# Altium PCB PCB1.PcbDoc
Units mm, origin at the board's own origin, x right, y up, seen from the top; angles counter-clockwise.
Board outline 240.79 x 92.31 mm, 2 copper layers (Top Layer, Bottom Layer); 105 components, 43 nets, 260 pads, 0 vias.
Unrouted connection lines stored in the file: 196.
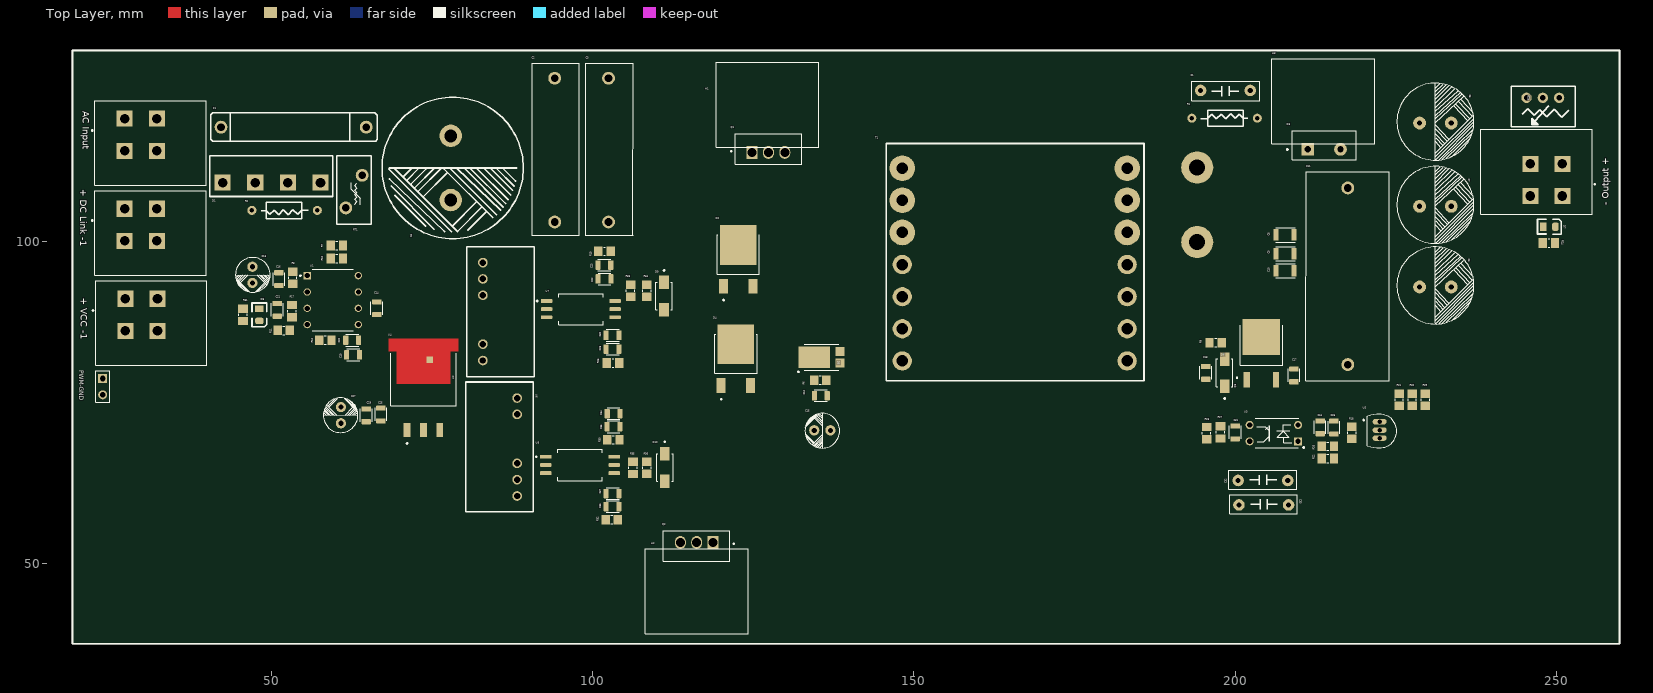
[diagram p0: Top Layer view]
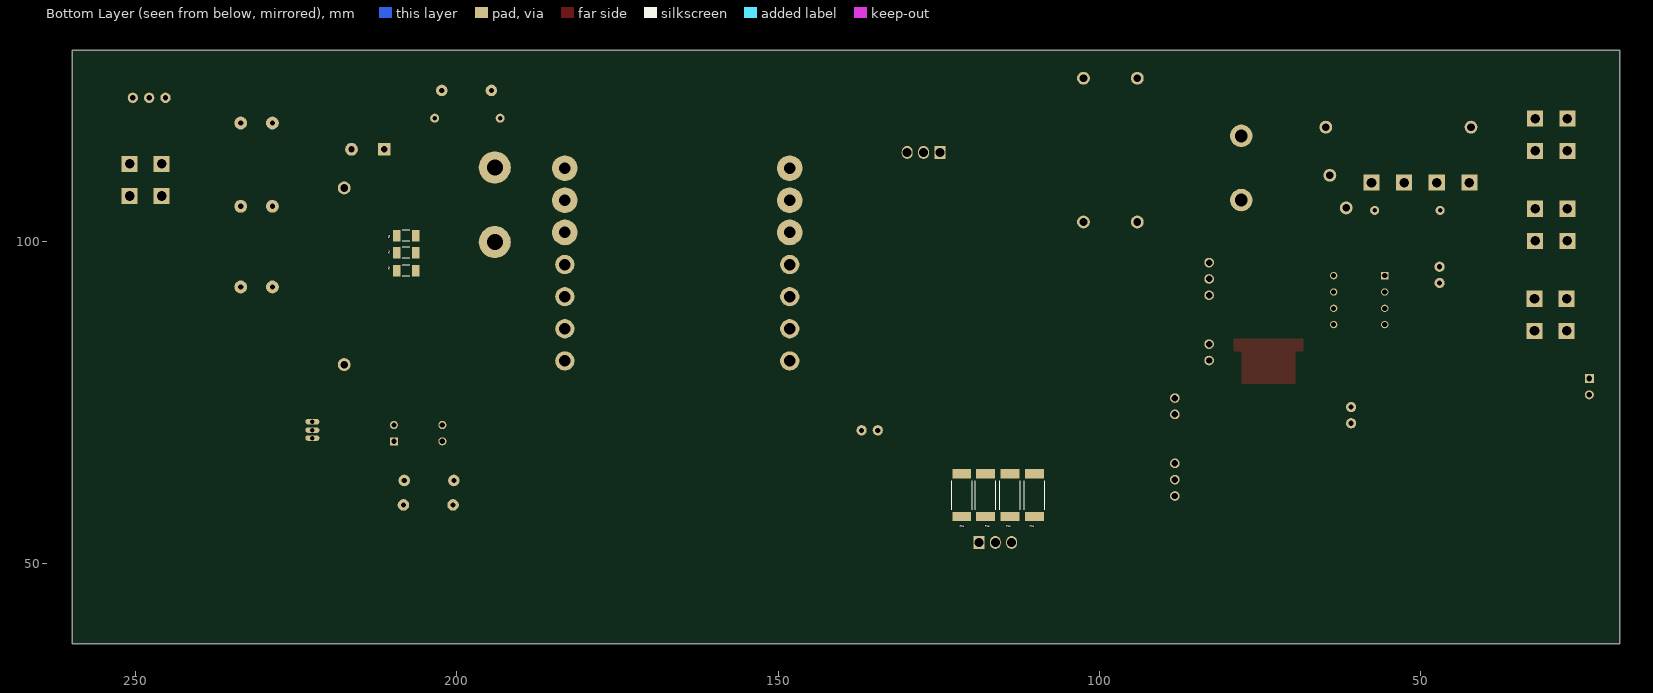
[diagram p1: Bottom Layer view, seen from below]

## Layer stack, top to bottom
Top Solder: solder mask 0.0102, Solder Resist, Dk 3.5
Top Layer: signal copper 0.0356
Dielectric 1: dielectric 0.32, FR-4, Dk 4.8
Bottom Layer: signal copper 0.0356
Bottom Solder: solder mask 0.0102, Solder Resist, Dk 3.5

## Board outline
19.05,37.482 19.05,129.794 259.842,129.794 259.842,37.482

## Design rules (kind name [scope] priority, off if disabled: settings)
Clearance [All] p1: gap=0.254 ignorepadtopadclearanceinfootprint=FALSE except(0: Arc-Hole Track-Hole SMDPad-Hole THPad-Hole Via-Hole Fill-Hole Poly-Hole Region-Hole Text-Hole)
Height [All] p1: minheight=0 maxheight=404 prefheight=12.7
HoleSize [All] p1: absolutevalues=TRUE maxlimit=3 minlimit=0.025 maxpercent=80.000 minpercent=20.000
MinimumSolderMaskSliver [All] p1: minsoldermaskwidth=0.1
PolygonConnect [All] p1: connectstyle=Relief reliefconductorwidth=0.254 reliefentries=4 polygonreliefangle="90 Angle" airgapwidth=0.254
RoutingVias [All] p1: holewidth=0.711 width=1.27 viastyle="Through Hole" minholewidth=0.711 minwidth=1.27 maxholewidth=0.711 maxwidth=1.27
SilkToSilkClearance [All] p1: silktosilkclearance=0.1
SilkToSolderMaskClearance [IsPad] p1: minsilkscreentomaskgap=0.01 clearancetoexposedcopper=TRUE
SolderMaskExpansion [All] p1: expansion=0.102 istentingtop=FALSE
Width [All] p1: maxlimit=0.254 minlimit=0.254 preferedwidth=0.254
25 further rules are at their usual default settings.

## Components (designator, comment, footprint, x,y, rotation, side; value= is the part's Value field where it differs from the comment)
"+ DC Link -1" "732-2088-ND" "Phoenix Contact 2x2 Male Straight" 31.003,99.481 r180 top
"+ VCC -1" "732-2088-ND" "Phoenix Contact 2x2 Male Straight" 31.115,85.471 r180 top
"- Output +" "732-2088-ND" "Phoenix Contact 2x2 Male Straight" 247.127,112.816 r0 top (schematic designator "+ Output -1")
"AC Input" "732-2088-ND" "Phoenix Contact 2x2 Male Straight" 31.003,113.498 r180 top (schematic designator "AC Input1")
C1 "(DIGIKEY Part Number)" "Capacitor Polyester High Voltage DIP" 198.501,123.571 r180 top value="33pF, 1000V"
C2 "CBB23" "Capacitor Film DIP 04" 94.107,103.476 r270 top value="100nF, 1000V"
C3 "CBB23" "Capacitor Film DIP 04" 102.489,103.476 r270 top value="100nF, 1000V"
C4 "493-2587-ND" "Capacitor Aluminum Electrolytic DIP 20*36.5*10" 78.232,111.506 r270 top value="470uF, 400V"
C5 "UHV1V271MPD1TA-ND" "Capacitor Aluminum Electrolytic DIP 10*13*5" 231.191,118.72 r0 top value="270uF, 35V"
C6 "UHV1V271MPD1TA-ND" "Capacitor Aluminum Electrolytic DIP 10*13*5" 231.191,93.218 r0 top value="270uF, 35V"
C7 "UHV1V271MPD1TA-ND" "Capacitor Aluminum Electrolytic DIP 10*13*5" 231.191,105.766 r0 top value="270uF, 35V"
C8 "478-KGM21NR71H104JTTR-ND" "Capacitor Ceramic SMD 1206" 207.772,101.092 r0 top value="100nF, 50V"
C9 "478-KGM21NR71H104JTTR-ND" "Capacitor Ceramic SMD 1206" 207.772,98.171 r0 top value="100nF, 50V"
C10 "478-KGM21NR71H104JTTR-ND" "Capacitor Ceramic SMD 1206" 207.772,95.504 r0 top value="100nF, 50V"
C11 "478-KGM21NR71H104JTTR-ND" "Capacitor Film DIP 06" 217.551,80.899 r90 top value="100nF, 50V"
C12 "GRM2195C1H103JA01D" "Capacitor Ceramic SMD 805" 135.509,76.073 r0 top value="10nF, 50V"
C13 "732-8851-1-ND" "Capacitor Aluminum Electrolytic DIP 5*7.5*2.5" 47.117,94.869 r270 top value="1uF, 50V"
C14 "399-C0805C104J5RAC7800TR-ND" "Capacitor Ceramic SMD 805" 66.421,89.662 r90 top value="0.1uF, 50V"
C15 "P15139-ND" "Capacitor Aluminum Electrolytic DIP 5*7.5*2.5" 135.763,70.612 r180 top value="68uF, 50V"
C16 "490-1642-2-ND" "Capacitor Ceramic SMD 805" 51.181,94.198 r90 top value="10nF, 25V"
C17 "478-KGM21NR71H104JTTR-ND" "Capacitor Ceramic SMD 805" 209.169,79.245 r270 top value="100nF, 50V"
C18 "KGM21NR71H683JT" "Capacitor Ceramic SMD 805" 195.453,79.629 r270 top value="68nF, 50V"
C19 "490-1627-2-ND" "Capacitor Ceramic SMD 805" 62.738,82.423 r180 top value="2nF, 25V"
C20 "311-3498-2-ND" "Capacitor Ceramic SMD 805" 62.605,84.709 r180 top value="1uF, 20V"
C21 "399-C0805C101J5GAC7800TR-ND" "Capacitor Ceramic SMD 805" 50.927,89.414 r90 top value="100pF, 50V"
C22 "C0805C104J5RAC7800" "Capacitor Ceramic SMD 805" 101.854,94.234 r0 top value="100nF, 50V"
C23 "CC0805JKX7R9BB105" "Capacitor Ceramic SMD 805" 101.818,96.393 r0 top value="1uF, 50V"
C24 "KGM21NR71H683JT" "Capacitor Ceramic SMD 805" 213.233,71.156 r270 top value="68 nF, 50V"
C25 "C0805C104J5RAC7800" "Capacitor Ceramic SMD 805" 67.056,73.152 r270 top value="100nF, 50V"
C26 "C0805C104J5RAC7800" "Capacitor Ceramic SMD 805" 215.392,71.12 r270 top value="100nF, 50V"
C27 "732-8851-1-ND" "Capacitor Aluminum Electrolytic DIP 5*7.5*2.5" 60.776,73.032 r90 top value="1uF, 50V"
C28 "C0805C104J5RAC7800" "Capacitor Ceramic SMD 805" 103.124,83.312 r180 top value="100nF, 50V"
C29 "490-18663-2-ND" "Capacitor Ceramic SMD 805" 64.77,73.025 r270 top value="10uF, 50V"
C30 "CC0805JKX7R9BB105" "Capacitor Ceramic SMD 805" 103.124,85.471 r180 top value="1uF, 50V"
C31 "C0805C104J5RAC7800" "Capacitor Ceramic SMD 805" 200.025,70.358 r270 top value="100nF, 50V"
C32 "(DIGIKEY Part Number)" "Capacitor Polyester High Voltage DIP" 204.343,62.865 r0 top value="2.2 nF, 50V"
C33 "(DIGIKEY Part Number)" "Capacitor Polyester High Voltage DIP" 204.47,59.055 r0 top value="2.2nF, 50V"
C34 "C0805C104J5RAC7800" "Capacitor Ceramic SMD 805" 103.257,73.279 r0 top value="100nF, 50V"
C35 "CC0805JKX7R9BB105" "Capacitor Ceramic SMD 805" 103.251,71.247 r0 top value="1uF, 50V"
C36 "C0805C104J5RAC7800" "Capacitor Ceramic SMD 805" 103.118,58.801 r180 top value="100nF, 50V"
C37 "CC0805JKX7R9BB105" "Capacitor Ceramic SMD 805" 103.124,60.833 r180 top value="1uF, 50V"
D1 "31-GBU10V08-TU-ND" "Bridge Rectifier 1Phase 600V 10A GBJ" 50.038,109.22 r0 top
D2 "DSEP6-06AS-TRL" "Diode SMD TO-252 (DPAK)" 122.682,97.282 r90 top
D3 "MBR10150_T0" "Diode DIP ITO-220AC" 213.868,115.062 r0 top
D4 "DSEP6-06AS-TRL" "Diode SMD TO-252 (DPAK)" 122.301,81.829 r90 top
D5 "PDS3100-13" "Diode SMD POWERDI5" 135.636,82.042 r180 top
D6 "BZT52C20-7-F" "Diode Zener SMD DO-214AC" 198.374,79.629 r90 top
D7 "L62505TR-ND" "LED SMD 805 01" 248.92,102.362 r90 top
D8 "L62505TR-ND" "LED SMD 805 01" 48.133,88.646 r0 top
D9 "BZT52C18-7-F" "Diode Zener SMD DO-214AC" 111.125,91.567 r270 top
D10 "BZT52C18-7-F" "Diode Zener SMD DO-214AC" 111.252,64.897 r270 top
F1 "F1730-ND" "Fuse Full DIP 02" 42.164,117.856 r0 top
H1 "(DIGIKEY Part Number)" "HEATSINK 05" 134.366,116.84 r180 top
H2 "(DIGIKEY Part Number)" "HEATSINK 05" 109.093,50.165 r0 top
H3 "(DIGIKEY Part Number)" "HEATSINK 05" 220.853,117.348 r180 top
PWM-GND "A105225-ND" "Header 01 1x2" 23.749,77.47 r0 top (schematic designator PWM-GND1)
Q1 "IPP50R280CEXKSA1-ND" "MOSFET DIP TO-220" 127.381,113.919 r0 top
Q2 "IPP50R280CEXKSA1-ND" "MOSFET DIP TO-220" 116.205,53.213 r180 top
Q3 "2STD1665T4" "BJT NPN SMD DPAK TO-252" 204.089,82.747 r0 top
R1 "(DIGIKEY Part Number)" "Resistor DIP 0.25W 01" 198.374,119.253 r0 top value=100
R2 "P200KDATR-ND" "Resistor DIP 0.25W 01" 52.07,104.902 r180 top value="200 K"
R3 "RMCF2010JT1K20" "Resistor SMD 1206" 207.899,95.504 r180 bottom value="1.2 K"
R4 "RMCF2010JT1K20" "Resistor SMD 1206" 207.899,98.298 r180 bottom value="1.2 K"
R5 "RMCF2010JT1K20" "Resistor SMD 1206" 207.899,100.965 r180 bottom value="1.2 K"
R6 "(DIGIKEY Part Number)" "Resistor SMD 805" 135.443,78.486 r0 top value=10
R7 "P47KDATR-ND" "Resistor SMD 805" 60.198,99.441 r0 top value="47 K"
R8 "RG20P10.0KBTR-ND" "Resistor SMD 805" 53.34,94.418 r90 top value="10 K"
R9 "P2.7KDATR-ND" "Resistor SMD 805" 196.977,84.328 r180 top value="2.7 K"
R10 "P47KDATR-ND" "Resistor SMD 805" 60.198,97.409 r180 top value="47 K"
R11 "TC0525B1001T5G" "Resistor SMD 805" 51.943,86.233 r180 top value="1 K"
R12 "TC0550D8201T5F" "Resistor SMD 805" 58.42,84.709 r0 top value="8.2 K"
R13 "13-RT1206BRE071RL-ND" "Resistor SMD 2512" 121.412,60.579 r270 bottom value="1 Ohm"
R14 "13-RT1206BRE071RL-ND" "Resistor SMD 2512" 110.109,60.579 r270 bottom value="1 Ohm"
R15 "13-RT1206BRE071RL-ND" "Resistor SMD 2512" 113.919,60.579 r270 bottom value="1 Ohm"
R16 "13-RT1206BRE071RL-ND" "Resistor SMD 2512" 117.729,60.579 r270 bottom value="1 Ohm"
R17 "RG20P10.0KBTR-ND" "Resistor SMD 805" 53.213,89.224 r90 top value="10 K"
R18 "P2.7KDATR-ND" "Resistor SMD 805" 218.186,70.297 r270 top value="2.7 K"
R19 "TC0525B1001T5G" "Resistor SMD 805" 101.854,98.552 r0 top value="1 K"
R20 "ERA-6AEB473V" "Resistor SMD 805" 227.584,75.438 r270 top value="47 K"
R21 "ERA-6AEB473V" "Resistor SMD 805" 225.552,75.438 r270 top value="47 K"
R22 "P2.7KDATR-ND" "Resistor SMD 805" 214.442,66.294 r180 top value="2.7 K"
R23 "RG20P10.0KBTR-ND" "Resistor SMD 805" 195.58,70.231 r90 top value="10 K"
R24 "ERJ-P06F3002V-" "Resistor SMD 805" 248.859,99.822 r180 top value="30 K"
R25 "TC0525B1001T5G" "Resistor SMD 805" 103.185,81.153 r180 top value="1 K"
R26 "P200KDATR-ND" "Resistor SMD 805" 214.442,68.199 r0 top value="200 K"
R27 "ERA-6AEB102V" "Resistor SMD 805" 197.739,70.358 r270 top value="1 K"
R28 "(DIGIKEY Part Number)" "Resistor Variable DIP 02" 247.904,122.428 r180 top value=20K
R29 "ERA-6AEB272V" "Resistor SMD 805" 229.616,75.438 r90 top value="2.7 K"
R30 "TC0525B1001T5G" "Resistor SMD 805" 103.251,69.215 r0 top value="1 K"
R31 "ERJ-P06F3002V-" "Resistor SMD 805" 45.593,88.646 r270 top value="30 K"
R32 "TC0525B1001T5G" "Resistor SMD 805" 102.997,56.769 r180 top value="1 K"
R33 "749-1374-2-ND" "Resistor SMD 1206 MELF 01" 105.918,92.39 r270 top value=5.6
R34 "RG2012P-103-B-T5" "Resistor SMD 805" 108.458,92.395 r270 top value="10 K"
R35 "749-1374-2-ND" "Resistor SMD 1206 MELF 01" 106.299,64.831 r90 top value=5.6
R36 "RG2012P-103-B-T5" "Resistor SMD 805" 108.458,64.836 r270 top value="10 K"
RT1 "118-BN-LG10Y2R0MYB-ND" "NTC Thermistor DIP 01" 61.595,108.968 r90 top
T1 "Transformer" "Transformer EE42/21/20" 148.209,111.473 r0 top
U1 "UC3844BN" "PWM Controller UC3844 DIP 01" 59.563,90.932 r0 top
U2 "MGJ2 Series" "Linear Regulator Isolated Module DC-DC DIP 02" 82.931,81.534 r90 top
U3 "PS2501-1-H-A" "Optoisolators DIP 01" 211.074,68.961 r180 top
U4 "LM2940SX-12/NOPBTR-ND" "Linear Regulator DIP TO-263" 73.676,77.261 r90 top
U5 "(DIGIKEY Part Number)" "TL431 DIP" 222.504,70.739 r270 top
U6 "MGJ2 Series" "Linear Regulator Isolated Module DC-DC DIP 02" 88.265,75.692 r270 top
U7 "IS341WTR-ND" "Gate Driver IS341W SO6 Stretched" 98.171,89.535 r0 top
U8 "IS341WTR-ND" "Gate Driver IS341W SO6 Stretched" 98.044,65.278 r0 top

## Footprints (in the part's own frame and the unit in brackets; to place one, negate y for a bottom-side part, rotate by r counter-clockwise, add the part's x,y. Pads: shape width x height; smd on the part's side, far side on the other; paste and mask are expansions set on the pad)
"BJT NPN SMD DPAK TO-252" [mm]
  rect 0.98x2.4 smd: 1(-2.28,-4.2) 2(2.28,-4.2)
  rect 5.86x5.57 smd paste-4: 3(0,2.47)
  silkscreen extent -3.89,-4 3.3,4.27, body extent -3.25,-4.87 3.25,4.86, height 2.17
"Bridge Rectifier 1Phase 600V 10A GBJ" [mm]
  rect 2.5x2.5 hole 1.5: 1(-2.54,0) 2(2.54,0) 3(-7.62,0) 4(7.62,0)
  silkscreen extent -9.6,-2.16 9.55,4.17, body extent -9.5,-2.24 9.5,4.02, height 16.75
"Capacitor Aluminum Electrolytic DIP 5*7.5*2.5" [mm]
  round 1.6 hole 0.8: 1(-1.263,-0.057) 2(1.263,-0.057)
  silkscreen extent -2.7,-2.7 2.7,2.7, body extent -2.48,-2.66 2.53,2.34, height 9.21
"Capacitor Aluminum Electrolytic DIP 10*13*5" [mm]
  round 2 hole 0.8: 1(-2.464,-0.229) 2(2.464,-0.229)
  silkscreen extent -6,-6 6,6, body extent -5,-5.3 5,4.7, height 14
"Capacitor Aluminum Electrolytic DIP 20*36.5*10" [mm]
  round 3.5 hole 2: 1(-5,-0.305) 2(5,-0.305)
  silkscreen extent -11,-11 11,11, body extent -9.85,-10.33 10.16,9.67, height 2
"Capacitor Ceramic SMD 805" [mm]
  rrect25% 0.8x1.47 smd: 1(-0.98,0) 2(1.01,0)
  silkscreen extent -1,-0.91 1,0.91, body extent -0.94,-0.69 1.09,0.71, height 1.23
"Capacitor Ceramic SMD 1206" [mm]
  rect 0.8x1.8 smd: 1(-1.4,0) 2(1.4,0)
  silkscreen extent -1.43,-1.11 1.57,1.11, body extent -1.7,-0.9 1.7,0.9, height 0.87
"Capacitor Film DIP 04" [mm]
  round 2 hole 1.2: 1(-22,0) 2(0.375,0)
  silkscreen extent -24.35,-3.59 2.45,3.82, body extent -24.27,-3.4 2.22,3.6, height 16
"Capacitor Film DIP 06" [mm]
  round 2 hole 1.2: 1(0,0) 2(27.5,0)
  silkscreen extent -2.54,-6.48 30,6.52, body extent -2.02,-6.2 29.47,6.3, height 21.5
"Capacitor Polyester High Voltage DIP" [mm]
  round 1.8 hole 0.8: 1(-3.861,0) 2(3.861,0)
  silkscreen extent -5.33,-1.4 5.24,1.6, body extent -4.05,-1.58 4.05,1.42, height 9
"Diode DIP ITO-220AC" [mm]
  round 1.995 hole 1: 1(2.54,-0.655)
  rect 1.995x1.995 hole 1: 2(-2.54,-0.655)
  silkscreen extent -5.82,-2.25 4.97,2.25, body extent -4.97,-2.09 4.97,2.41, height 19.6
"Diode SMD POWERDI5" [mm]
  rect 1.4x1.39 smd: 1(-2.862,-0.92) 1(-2.862,0.92)
  rect 4.86x3.36 smd: 2(1.12,0)
  silkscreen extent -2.69,-2 3.7,2.37, body extent -3.3,-2.05 3.3,2, height 1.12
"Diode SMD TO-252 (DPAK)" [mm]
  rect 2.29x1.4 smd: 1(-4.19,-2.285) 2(-4.19,2.285)
  rect 6.18x5.69 smd paste-4: 2(2.245,0)
  silkscreen extent -6.43,-3.3 3.79,3.3, body extent -4.95,-3.25 4.95,3.25, height 2.38
"Diode Zener SMD DO-214AC" [mm]
  rect 2.09x1.5 smd: 1(2.13,0) 2(-2.13,0)
  silkscreen extent -4.1,-1.28 2.16,1.28, body extent -2.57,-1.28 2.57,1.28, height 2.5
"Fuse Full DIP 02" [mm]
  round 2 hole 1.2: 1(0,0) 2(22.6,0)
  silkscreen extent -1.56,-2.2 24.36,2.22, body extent -0.26,-3.95 22.9,5.05, height 9.44
"Gate Driver IS341W SO6 Stretched" [mm]
  rrect50% 1.8x0.59 smd: 1(-5.33,1.27) 2(-5.33,0) 3(-5.33,-1.27) 4(5.33,-1.27) 5(5.33,0) 6(5.33,1.27)
  silkscreen extent -6.9,-2.42 3.47,2.42, body extent -5.7,-2.29 5.8,2.29, height 3.3
"Header 01 1x2" [mm]
  rect 1.398x1.398 hole 0.89: 1(0,1.27)
  round 1.398 hole 0.89: 2(0,-1.27)
  silkscreen extent -1.07,-2.44 1.07,2.44, body extent -1.07,-2.44 1.06,2.44, height 11.08
"HEATSINK 05" [mm]
  silkscreen extent -0.87,-11.15 15.12,2.07, body extent -0.63,-10.45 14.67,1.81, height 25
"LED SMD 805 01" [mm]
  rect 1.27x1 smd: 1(0,0.95)
  rrect50% 1.27x1 smd: 2(0,-0.95)
  silkscreen extent -1.15,-1.85 1.14,1.85, body extent -0.62,-1.05 0.63,0.95, height 0.8
"Linear Regulator DIP TO-263" [mm]
  rect 2.16x1.07 smd: 1(-6.545,2.54) 2(-6.545,0) 3(-6.545,-2.54)
  rect 1x1 smd paste-1 mask+0: 2(4.4,-1)
  Top Layer region: 7.625,-5.4 5.715,-5.4 5.715,-4.165 0.635,-4.165 0.635,4.165 5.715,4.165 5.715,5.4 7.625,5.4
  silkscreen extent -8.72,-5.08 5.4,5.08, body extent -7.18,-5.08 7.18,5.08, height 4.65
"Linear Regulator Isolated Module DC-DC DIP 02" [mm]
  round 1.5 hole 1: 1(0,0) 2(2.54,0) 5(10.16,0) 6(12.7,0) 7(15.24,0)
  silkscreen extent -2.5,-7.98 17.7,2.52, body extent -2.3,-7.46 17.46,2.6, height 12.75
"MOSFET DIP TO-220" [mm]
  rect 1.7x2 hole 1.4: 1(-2.54,0)
  oval 1.7x2 hole 1.4: 2(0,0) 3(2.54,0)
  silkscreen extent -5.89,-1.81 5.18,2.89, body extent -5.16,-1.63 5,2.92, height 19.65
"NTC Thermistor DIP 01" [mm]
  round 2 hole 1.2: 1(-3.674,0) 2(1.397,-2.54)
  silkscreen extent -6.22,-3.94 4.44,1.4, body extent -5.64,-3.41 3.36,0.89, height 11.8
"Optoisolators DIP 01" [mm]
  rect 1.26x1.26 hole 0.84: 1(1.27,0)
  round 1.26 hole 0.84: 2(1.27,-2.54) 3(8.8,-2.54) 4(8.8,0)
  silkscreen extent 0.31,-3.56 7.95,1.07, body extent 1.13,-3.7 9.01,0.89, height 4.3
"Phoenix Contact 2x2 Male Straight" [mm]
  rect 2.5x2.5 hole 1.5: 1(3.825,-5.675) 2(3.825,-0.675) ""(-1.175,-0.675) ""(-1.175,-5.675)
  silkscreen extent -8.85,-8.5 8.97,4.7, body extent -8.62,-8.67 8.37,4.53, height 16.49
"PWM Controller UC3844 DIP 01" [mm]
  rect 1.13x1.13 hole 0.78: 1(-3.97,3.81)
  round 1.13 hole 0.78: 2(-3.97,1.27) 3(-3.97,-1.27) 4(-3.97,-3.81) 5(3.97,-3.81) 6(3.97,-1.27) 7(3.97,1.27) 8(3.97,3.81)
  silkscreen extent -5.13,-4.79 3.17,4.79, body extent -4.1,-4.54 4.1,5.05, height 5.08
"Resistor DIP 0.25W 01" [mm]
  round 1.4 hole 0.7: 1(-5.093,0) 2(5.093,0)
  silkscreen extent -3.7,-1.27 3.63,1.27, body extent -5.4,-1.16 5.37,1.16, height 2.93
"Resistor SMD 805" [mm]
  rect 1.3x1.5 smd: 1(-0.95,0) 2(0.95,0)
  silkscreen extent -0.15,-0.65 0.15,0.65, body extent -1,-0.63 1,0.63, height 0.6
"Resistor SMD 1206" [mm]
  rect 1.13x1.77 smd: 1(-1.47,0) 2(1.47,0)
  silkscreen extent -0.58,-0.88 0.58,0.88, body extent -1.63,-0.77 1.57,0.83, height 0.55
"Resistor SMD 1206 MELF 01" [mm]
  rect 1.3x1.5 smd: 1(-0.95,0) 2(0.95,0)
  silkscreen extent -0.15,-0.65 0.15,0.65, body extent -1.13,-0.58 1.07,0.52, height 1.1
"Resistor SMD 2512" [mm]
  rect 1.45x2.9 smd: 1(-3.325,0) 2(3.325,0)
  silkscreen extent -2.28,-1.6 2.28,1.6, body extent -3.23,-1.6 3.17,1.6, height 0.6
"Resistor Variable DIP 02" [mm]
  round 1.6 hole 0.85: 1(-2.54,0) 2(0,0) 3(2.54,0)
  silkscreen extent -5.08,-1.79 4.92,4.52, body extent -4.76,-1.9 4.76,4.19, height 12.56
"TL431 DIP" [mm]
  oval 0.85x2.2 hole 0.7: 1(-1.27,0) 2(0.025,0) 3(1.27,0)
  silkscreen extent -2.43,-2.59 2.78,2.68, body extent -2.41,-1.37 2.41,2.31, height 7.84
"Transformer EE42/21/20" [mm]
  round 4 hole 1.8: 1(0,0) 2(0,-10) ""(0,-5) ""(35,-10) ""(35,-5) ""(35,0)
  round 3 hole 1.8: 3(0,-20) 4(0,-30) ""(0,-25) ""(0,-15) ""(35,-15) ""(35,-30) ""(35,-25) ""(35,-20)
  round 5 hole 2.5: 5(45.9,0.1) 6(45.9,-11.5)
  silkscreen extent -2.5,-33.09 37.61,3.82, body extent -4.3,-38.9 37.9,3.3, height 33.24

## Part data
"+ DC Link -1" "+ VCC -1" "- Output +" "AC Input" PWM-GND: library part "Contact-Phoenix 2x", "Contact-Phoenix 2x", Color=Green, Current=15A, Current Rating=17.5A, Flammability Rating="UL94 V-0", Manufacturer="Phoenix Contact", Manufacturer Part Number=1715721, Max Current Rating=22A, Max Operating Temperature=100°C, Max Supply Voltage=250V, Min Operating Temperature=-20°C, Package Quantity=50, Supplier Part Number 1=277-1263-ND, Test Voltage=4kV, Voltage=300V, Voltage Rating=400V, Approvals=UL,CSA,cULus,EAC, Category="Terminal Blocks", ComponentLink1Description=https://datasheet.ciiva.com/16046/1715721-16046034.pdf?src-supplier=Onlinecomponents.com, ComponentLink1URL=https://datasheet.ciiva.com/16046/1715721-16046034.pdf?src-supplier=Onlinecomponents.com, ComponentLink2Description=https://datasheet.ciiva.com/1120/1697161-1120393.pdf?src-supplier=Farnell, ComponentLink2URL=https://datasheet.ciiva.com/1120/1697161-1120393.pdf?src-supplier=Farnell, ComponentLink3Description=https://datasheet.ciiva.com/15169/getdatasheetpartid-212174-15169929.pdf?src-supplier=Verical, ComponentLink3URL=https://datasheet.ciiva.com/15169/getdatasheetpartid-212174-15169929.pdf?src-supplier=Verical, ComponentLink4Description=https://datasheet.ciiva.com/832/1715721-832095.pdf?src-supplier=Digi-Key, ComponentLink4URL=https://datasheet.ciiva.com/832/1715721-832095.pdf?src-supplier=Digi-Key, Connector Type="Screw,Terminal Block,PCB", Contact Material=Tin, Depth=9.8mm, Height=17.3mm, Housing Color=Green, Housing Material=Polyamide, Insulation Material=Nylon, Lead Free="Lead Free", Length=10.16mm, Mount="Through Hole", Number of Circuits=2, Number of Contacts=2, Number of Levels=1, Number of Pins=2, Number of Poles=2, Number of Positions=2, Number of Positions Per Level=2, Number of Rows=1, Orientation=Straight, Packaging=Bulk, Pitch=5.08mm, Pricing 1="1=1.39000, 10=1.33400, 50=1.27600, 100=1.24120, 250=1.16000, 500=1.06720, 1000=0.98600, 2500=0.93960, 5000=0.89320 (USD)", Radiation Hardening=No, REACH SVHC="No SVHC", RoHS=Yes, RoHS Compliant=Yes, Series=MKDS, Stock 1=4962, Stripping Length=7mm, Supplier 1=Digi-Key, Termination=Screw, Voltage Rating (AC)=250V, Weight=0.103705oz, Width=17.3mm, Wire Gauge (Max)=26AWG, Wire Gauge (Min)=26AWG, Wire/Cable Gauge=14AWG
C1 C2 C3 C8 C9 C10 C11 C12 C14 C16 C17 C18 C19 C20 C21 C22 C23 C24 C25 C26 C28 C29 C30 C31 C32 C33 C34 C35 C36 C37: library part "Capacitors Non-Electrolytic", "Ceramic & Polyester Capacitor"
C4 C5 C6 C7 C13 C15 C27: library part "Capacitors Electrolytic", "Aluminum Electrolytic Capacitors", Package="Radial Nichicon", Supplier Part Number 1=1189-2012-ND, Availability=Unavailable, MF=Nichicon, MP=UVR2A471MHD, Price=None, SnapEDA_Link=https://www.snapeda.com/parts/UVR2A471MHD/Nichicon/view-part/2302933/?ref=snap, Supplier 1=Digi-Key
D1: library part "Single Phase Bridge Rectifier", "Bridge Rectifier Single Phase Standard", Supplier Part Number 1=6113720, DatasheetVersion=E2732B, LatestRevisionDate=29-May-2009, LatestRevisionNote="Sch pins A & K swapped.", PackageDescription="Bridge Rectifier; 4 Terminals; Body 9.4 x 9.4 mm (typ); Pitch 5.08 mm", PackageReference=D-38, Published=8-Jun-2000, Publisher="Altium Limited", Supplier 1="Future Electronics"
D2 D3 D4 D5: library part Diode, "Through Hole & SMD Diode", ComponentLink1Description="Manufacturer Link", ComponentLink1URL=http://www.irf.com/, DatasheetVersion=Aug-1984, LatestRevisionDate=17-Jul-2002, LatestRevisionNote="Re-released for DXP Platform.", PackageDescription="Diode, Axial; Body 9.5 x 5.3 mm (LxDia. max), Lead Dia. 1.32 mm (max)", PackageReference=DO-201AD, Published=8-Jun-2000, Publisher="Altium Limited"
D6 D9 D10: library part "Diode Zener", "Through Hole & SMD Zener Diode", ComponentLink1Description="Manufacturer Link", ComponentLink1URL=http://www.irf.com/, ComponentLink2Description=Datasheet, ComponentLink2URL=http://www.irf.com/product-info/datasheets/data/18tq.pdf, DatasheetVersion=Dec-1997, LatestRevisionDate=17-Jul-2002, LatestRevisionNote="Re-released for DXP Platform.", Note="Terminal 2 is the TAB and is electrically connected to the cathode", PackageDescription="TO, Thru-Hole, Vertical, Heatsink Mounted; 3 In-Line Leads (1 Absent); Pitch 2.54 mm", PackageReference=TO-220AC, PackageVersion=Feb-1998, Published=8-Jun-2000, Publisher="Altium Limited"
D7 D8: library part LED, "Typical RED, GREEN, YELLOW, AMBER GaAs LED", LatestRevisionDate=17-Jul-2002, LatestRevisionNote="Re-released for DXP Platform.", PackageDescription="SM LED; 2 Flat Leads", PackageReference=3.2X1.6X1.1, PackageVersion=Feb-2002, Published=8-Jun-2000, Publisher="Altium Limited"
F1: library part Fuse, "Fuse, Circuit Protection", Supplier Part Number 1=031501.2HXP-ND, LatestRevisionDate=17-Jul-2002, LatestRevisionNote="Re-released for DXP Platform.", PackageDescription="Thru-Hole; 2 Leads", PackageReference=PIN-W2/E2.8, Published=8-Jun-2000, Publisher="Altium Limited", Supplier 1=Digi-Key
H1 H2 H3: library part "Heat Sink", "Heat Sink TO-220 Aluminum 20.0W @ 60Â°C Board Level, Vertical", Package=None, Availability="In Stock", Check_prices=https://www.snapeda.com/parts/530002B02500G/Aavid+Thermalloy/view-part/?ref=eda, MF="Aavid Thermalloy", MP=530002B02500G, Price=None, Purchase-URL=https://pricing.snapeda.com/search/part/530002B02500G/?ref=eda, SnapEDA_Link=https://www.snapeda.com/parts/530002B02500G/Aavid+Thermalloy/view-part/?ref=snap
Q1 Q2: library part "Transistor MOSFET", "N-Channel MOSFET", Package="SC-59 ON Semiconductor", Availability=Good, Check_prices=https://www.snapeda.com/parts/FDN360P/ON%20Semiconductor/view-part/2105995/?ref=eda, MF="ON Semiconductor", MP=FDN360P, Price=None, Purchase-URL=https://pricing.snapeda.com/search/part/FDN360P/?ref=eda, SnapEDA_Link=https://www.snapeda.com/parts/FDN360P/ON%20Semiconductor/view-part/2105995/?ref=snap
Q3: library part "Transistor BJT", "NPN General Purpose BJT", ComponentLink1Description="Manufacturer Link", ComponentLink1URL=http://www.fairchildsemi.com/, ComponentLink2Description=Datasheet, ComponentLink2URL=http://www.fairchildsemi.com/ds/2N%2F2N3904.pdf, DatasheetVersion=1997, LatestRevisionDate=15-Jan-2003, LatestRevisionNote="PCB Footprint 'BCY-W3/D4.7' replaced", PackageDescription="TO, Flat Index; 3 In-Line, Axial Leads; Body Dia. 4.5mm; Leads 0.51 x 0.48 mm (max)", PackageReference=TO-92A, PackageVersion=Sep-1998, Published=8-Jun-2000, Publisher="Altium Limited"
R1 R2 R3 R4 R5 R6 R7 R8 R9 R10 R11 R12 R13 R14 R15 R16 R17 R18 R19 R20 R21 R22 R23 R24 R25 R26 R27 R29 R30 R31 R32 R33 R34 R35 R36: library part Resistor, "Through Hole & SMD", LatestRevisionDate=17-Jul-2002, LatestRevisionNote="Re-released for DXP Platform.", PackageDescription="Axial Device, Thru-Hole; 2 Leads; 0.3 in Pin Spacing", PackageReference=AXIAL-0.3, Published=8-Jun-2000, Publisher="Altium Limited"
R28: library part "Resistor Variable", "Trimmer Potentiometer Cermet Top Adjustment", Supplier Part Number 1=3252W-103LF-ND, LatestRevisionDate=17-Jul-2002, LatestRevisionNote="Re-released for DXP Platform.", PackageDescription="Axial Device, Thru-Hole; 2 Leads; 0.7 in Pin Spacing", PackageReference=AXIAL-0.7, Published=8-Jun-2000, Publisher="Altium Limited", Set Position=0.5, Supplier 1=Digi-Key
RT1: library part NTC, "NTC Thermistor", Supplier Part Number 1=495-76311-ND, Code_IPC=RESC2012, LatestRevisionDate=29-May-2009, LatestRevisionNote="IPC-7351 Footprint Added.", PackageDescription="Chip Resistor 0805 Case Size", PackageReference=6-0805, PackageVersion=Mar-2003, Published=24-Mar-1999, Publisher="Altium Limited", Supplier 1=Digi-Key
T1: library part "Transformer EE42/21/20", "Transformer (Ideal)", LatestRevisionDate=17-Jul-2002, LatestRevisionNote="Re-released for DXP Platform.", PackageDescription="Transformer; 8 Leads", PackageReference=TRF_8, Published=25-Jan-2001, Publisher="Altium Limited"
U1: library part "PWM Controller UC3844BN", "Off-Line Controllers 52kHz 1A Current PWM No-Cancel/No-Return", Manufacturer=STMicroelectronics, Supplier Part Number=511-UC3844BN, Category="Voltage Regulators - Switching", ComponentLink1Description=https://datasheet.ciiva.com/15108/getdatasheetpartid-119240-15108173.pdf?src-supplier=Verical, ComponentLink1URL=https://datasheet.ciiva.com/15108/getdatasheetpartid-119240-15108173.pdf?src-supplier=Verical, ComponentLink2Description=https://datasheet.ciiva.com/4875/cd00000966-105506-4875760.pdf?src-supplier=Mouser, ComponentLink2URL=https://datasheet.ciiva.com/4875/cd00000966-105506-4875760.pdf?src-supplier=Mouser, ComponentLink3Description=https://datasheet.ciiva.com/17091/0900766b80ed226c-17091155.pdf?src-supplier=Allied+Electronics, ComponentLink3URL=https://datasheet.ciiva.com/17091/0900766b80ed226c-17091155.pdf?src-supplier=Allied+Electronics, ComponentLink4Description=https://datasheet.ciiva.com/2015/cd00000966-2015458.pdf?src-supplier=Digikey, ComponentLink4URL=https://datasheet.ciiva.com/2015/cd00000966-2015458.pdf?src-supplier=Digikey, ComponentLink5Description=https://datasheet.ciiva.com/2015/cd00000966-2015459.pdf?src-supplier=Digikey, ComponentLink5URL=https://datasheet.ciiva.com/2015/cd00000966-2015459.pdf?src-supplier=Digikey, ComponentLink6Description=https://datasheet.ciiva.com/8197/cd00000966-8197558.pdf?src-supplier=Avnet, ComponentLink6URL=https://datasheet.ciiva.com/8197/cd00000966-8197558.pdf?src-supplier=Avnet, ComponentLink7Description=https://datasheet.ciiva.com/16361/cd00000966-16361433.pdf?src-supplier=Future+Electronics, ComponentLink7URL=https://datasheet.ciiva.com/16361/cd00000966-16361433.pdf?src-supplier=Future+Electronics, Manufacturer Part Number=UC3844BN, Pricing="1=0.71, 10=0.501, 50=0.501, 100=0.46, 1000=0.414, 10000=0.38 (USD)", RoHS=Yes, Stock=11981, Supplier=Mouser
U2 U6: library part "Linear Regulator Isolated Module MGJ", "Module DC-DC 12VIN 2-OUT 15V/-5V 0.08A/0.04A 2W 5-Pin SIP Module", Case/Package=SIP, Current - Output 1=80mA, Current - Output 2=40mA, Isolation Voltage=5.2kV, Manufacturer=Murata, Manufacturer Part Number=MGJ2D121505SC, Max Input Voltage=13.2V, Max Operating Temperature=100°C, Max Output Power=2W, Max Power Dissipation=1W, Min Input Voltage=10.8V, Min Operating Temperature=-40°C, Nominal Input Voltage=12V, Output Voltage=15V, Package Quantity=25, Supplier Part Number 1=580-MGJ2D122005SC, Voltage - Output 2=-5V, ComponentLink1Description=http://www.farnell.com/datasheets/1965123.pdf?src-supplier=Element14, ComponentLink1URL=http://www.farnell.com/datasheets/1965123.pdf?src-supplier=Element14, ComponentLink2Description=http://power.murata.com/data/power/ncl/kdc_mgj2.pdf?src-supplier=Avnet, ComponentLink2URL=http://power.murata.com/data/power/ncl/kdc_mgj2.pdf?src-supplier=Avnet, Depth=19.65mm, Efficiency=80%, Features=SCP, Height=0.5inch, Length=0.77inch, Max Input Voltage (DC)=13.2V, Max Output Current=40mA, Min Input Voltage (DC)=10.8V, Mount="Through Hole", Number of Outputs=2, Number of Pins=5, Output Current=80mA, Output Power=2W, Packaging=Rail/Tube, Pricing 1="1=8.46, 5=8.42, 10=8.36, 25=8.27, 50=8.06, 100=7.66, 250=7.17, 500=6.68, 1000=6.65 (USD)", Radiation Hardening=No, REACH SVHC="No SVHC", RoHS Compliant=Yes, Stock 1=0, Supplier 1=Mouser, Voltage - Output 1=15V, Weight=0.151678oz, Width=0.39inch
U3: library part Optoisolator, "Optoisolator Transistor Output 5000Vrms 1 Channel 4-DIP", Supplier Part Number 1=559-1070-ND, DatasheetVersion=Nov-2003, LatestRevisionDate=04-Mar-2005, LatestRevisionNote="Sch pins 3 & 4 Swapped.", PackageReference=DIP-4, Published=24-Mar-1999, Publisher="Altium Limited", Supplier 1=Digi-Key
U4: library part "Linear Regulator", "Voltage Regulators - Linear, Low Drop Out (LDO) Regulators", Case/Package=TO-252, Dropout Voltage=1.1V, Input Bias Current=5mA, Manufacturer=STMicroelectronics, Manufacturer Part Number=LD1117DT33, Max Input Voltage=15V, Max Operating Temperature=125°C, Max Output Current=800mA, Max Output Voltage=3.3V, Max Power Dissipation=12W, Min Input Voltage=5.3V, Min Operating Temperature=0°C, Min Supply Voltage=4.75V, Output Current=950mA, Output Voltage Accuracy=1%, Package Quantity=75, Quiescent Current=10mA, Supplier Part Number 1=511-LD1117DT33, Category="Voltage Regulators - Linear", ComponentLink1Description=https://datasheet.ciiva.com/2070/cd00000544-2070990.pdf?src-supplier=Digi-Key, ComponentLink1URL=https://datasheet.ciiva.com/2070/cd00000544-2070990.pdf?src-supplier=Digi-Key, Max Supply Voltage=15V, Mount="Surface Mount", Nominal Output Voltage=3.3V, Number of Outputs=1, Number of Pins=3, Number of Regulators=1, Output Type=Fixed, Output Voltage=3.3V, Packaging=Rail/Tube, Polarity=Positive, Power Dissipation=12W, REACH SVHC="No SVHC", RoHS=Yes, RoHS Compliant=Yes, Supplier 1=Mouser, Termination=SMD/SMT, Voltage=3.3V
U5: library part TL431, "Shunt Voltage Reference IC", Package="TO-92 Microsemi Corporation", Supplier Part Number 1=497-16221-ND, Availability=Unavailable, DigiKey-Purchase-URL=https://snapeda.com/shop?store=DigiKey&id=187631, MF="Microsemi Corporation", MP=TL431ILP, Price=None, SnapEDA_Link=https://www.snapeda.com/parts/TL431ILP/Microsemi%20Corporation/view-part/187631/?ref=snap, Supplier 1=Digi-Key
U7 U8: library part "Gate Driver IS341W", "Photocoupler is ideally suited for driving power IGBTs and MOSFETs", Manufacturer=Isocom, Manufacturer Part Number=IS341W, Supplier Part Number=IS341WCT-ND, ComponentLink1Description=http://isocom.com/wp-content/uploads/2017/08/DD93205_IS341W_17-01-17.pdf?src-supplier=Digikey, ComponentLink1URL=http://isocom.com/wp-content/uploads/2017/08/DD93205_IS341W_17-01-17.pdf?src-supplier=Digikey, Pricing="1=2.2, 10=1.429, 100=1.0327, 500=0.87664 (USD)", RoHS=Yes, Stock=232, Supplier=Digikey

## Nets (pads, with @x,y where several pads share a name; then routed paths per layer and width w, separated by ;. In a path a pad name is that pad's centre, name@x,y a point inside that pad or via, vN(x,y) a via of type N, cw(c..) or ccw(c..) an arc to the next point about the centre after c; other vN are vias at no path point)
20V: C17.2 Q3.2 R18.1
GATE_B: D10.2 R35.1 R36.1
GATE_T: D9.2 Q1.1 Q2.1 R33.1 R34.1
GND: "- Output +.1" C5.2 C6.2 C7.2 C8.1 C9.1 C10.1 C11.1 C17.1 C18.1 C33.2 D6.1 D7.2 R3.2 R4.2 R5.2 R28.2 R29.2 T1.6 U5.2
GND_ISO_B: C36.1 C37.1 D10.1 Q2.3 R13.2 R14.2 R15.2 R16.2 R17.1 R32.1 R36.2 U6.5 U8.4
GND_ISO_T: C28.1 C30.1 D4.2 D9.1 Q1.3 R25.1 R34.2 T1.1 U2.5 U7.4
ISENSE: C21.2 R17.2 U1.3
"NetAC Input1_1": "AC Input.1" F1.1
"NetAC Input1_2": "AC Input.2" D1.2
NetC1_2: C1.2 R1.1
NetC16_2: C16.2 R8.2 U1.1
NetC18_2: C18.2 D6.2 Q3.1 R9.2
NetC19_2: C19.2 R12.1 U1.4
NetC22_1: C22.1 C23.1 C28.2 C30.2 R19.1 R25.2 U2.6
NetC24_1: C24.1 C26.1 R20.2 R21.2 R28.1 R29.1 U5.1
NetC24_2: C24.2 R22.2 R26.1 U3.2 U5.3
NetC26_2: C26.2 R26.2
NetC31_1: C31.1 R23.2 R27.1 U3.3
NetC32_2: C32.2 C33.1
NetC34_1: C34.1 C35.1 C36.2 C37.2 R30.1 R32.2 U6.6
NetD1_1: D1.1 F1.2
NetD1_4: D1.4 RT1.1
NetD2_1: D2.1 Q2.2 T1.2
NetD3_1: D3.1 R1.2 T1.5
NetD5_1: D5.1 T1.3
NetD5_2: D5.2 R6.1
NetD7_1: D7.1 R24.2
NetD8_1: D8.1 R31.2
NetR7_2: R7.2 R10.1
NetR11_1: R11.1 U1.6
NetR18_2: R18.2 R22.1 U3.1
NetR33_2: R33.2 U7.5
NetR35_2: R35.2 U8.5
PGND: "+ DC Link -1.2" "+ VCC -1.2" C2.1 C3.1 C4.2 C12.1 C13.2 C14.1 C15.2 C19.1 C20.1 C21.1 C25.1 C27.2 C29.1 C31.2 C32.1 D1.3 D4.1 D8.2 PWM-GND.2 R2.2 R13.1 R14.1 R15.1 R16.1 R27.2 T1.4 U1.5 U2.2 U4.2 U6.2 U7.3 U8.3
PWM: PWM-GND.1 R11.2 U7.1 U8.1
VCC: "+ VCC -1.1" C12.2 C13.1 C14.2 C15.1 C27.1 C29.2 R6.2 R10.2 R31.1 U1.7 U4.1
VCC_ISO_B: C34.2 C35.2 R30.2 U6.7 U8.6
VCC_ISO_T: C22.2 C23.2 R19.2 U2.7 U7.6
VCC_LR: C25.2 U2.1 U4.3 U6.1
VDCLINK: "+ DC Link -1.1" C2.2 C3.2 C4.1 D2.2 Q1.2 R2.1 R7.1 RT1.2
VFB: C16.1 R8.1 R23.1 U1.2
Vout: "- Output +.2" C1.1 C5.1 C6.1 C7.1 C8.2 C9.2 C10.2 C11.2 D3.2 Q3.3 R3.1 R4.1 R5.1 R9.1 R20.1 R21.1 R24.1
VREF: C20.2 R12.2 U1.8 U3.4
pads on no net: "+ DC Link -1." "+ VCC -1." "- Output +." "AC Input." R28.3 T1. U7.2 U8.2

## Silkscreen, mask and mechanical layers (free items; w line width, h text height)
Top Overlay:
  the board outline again, w0.254